# Allegro board MB1219_REVB_160112.brd (continued)
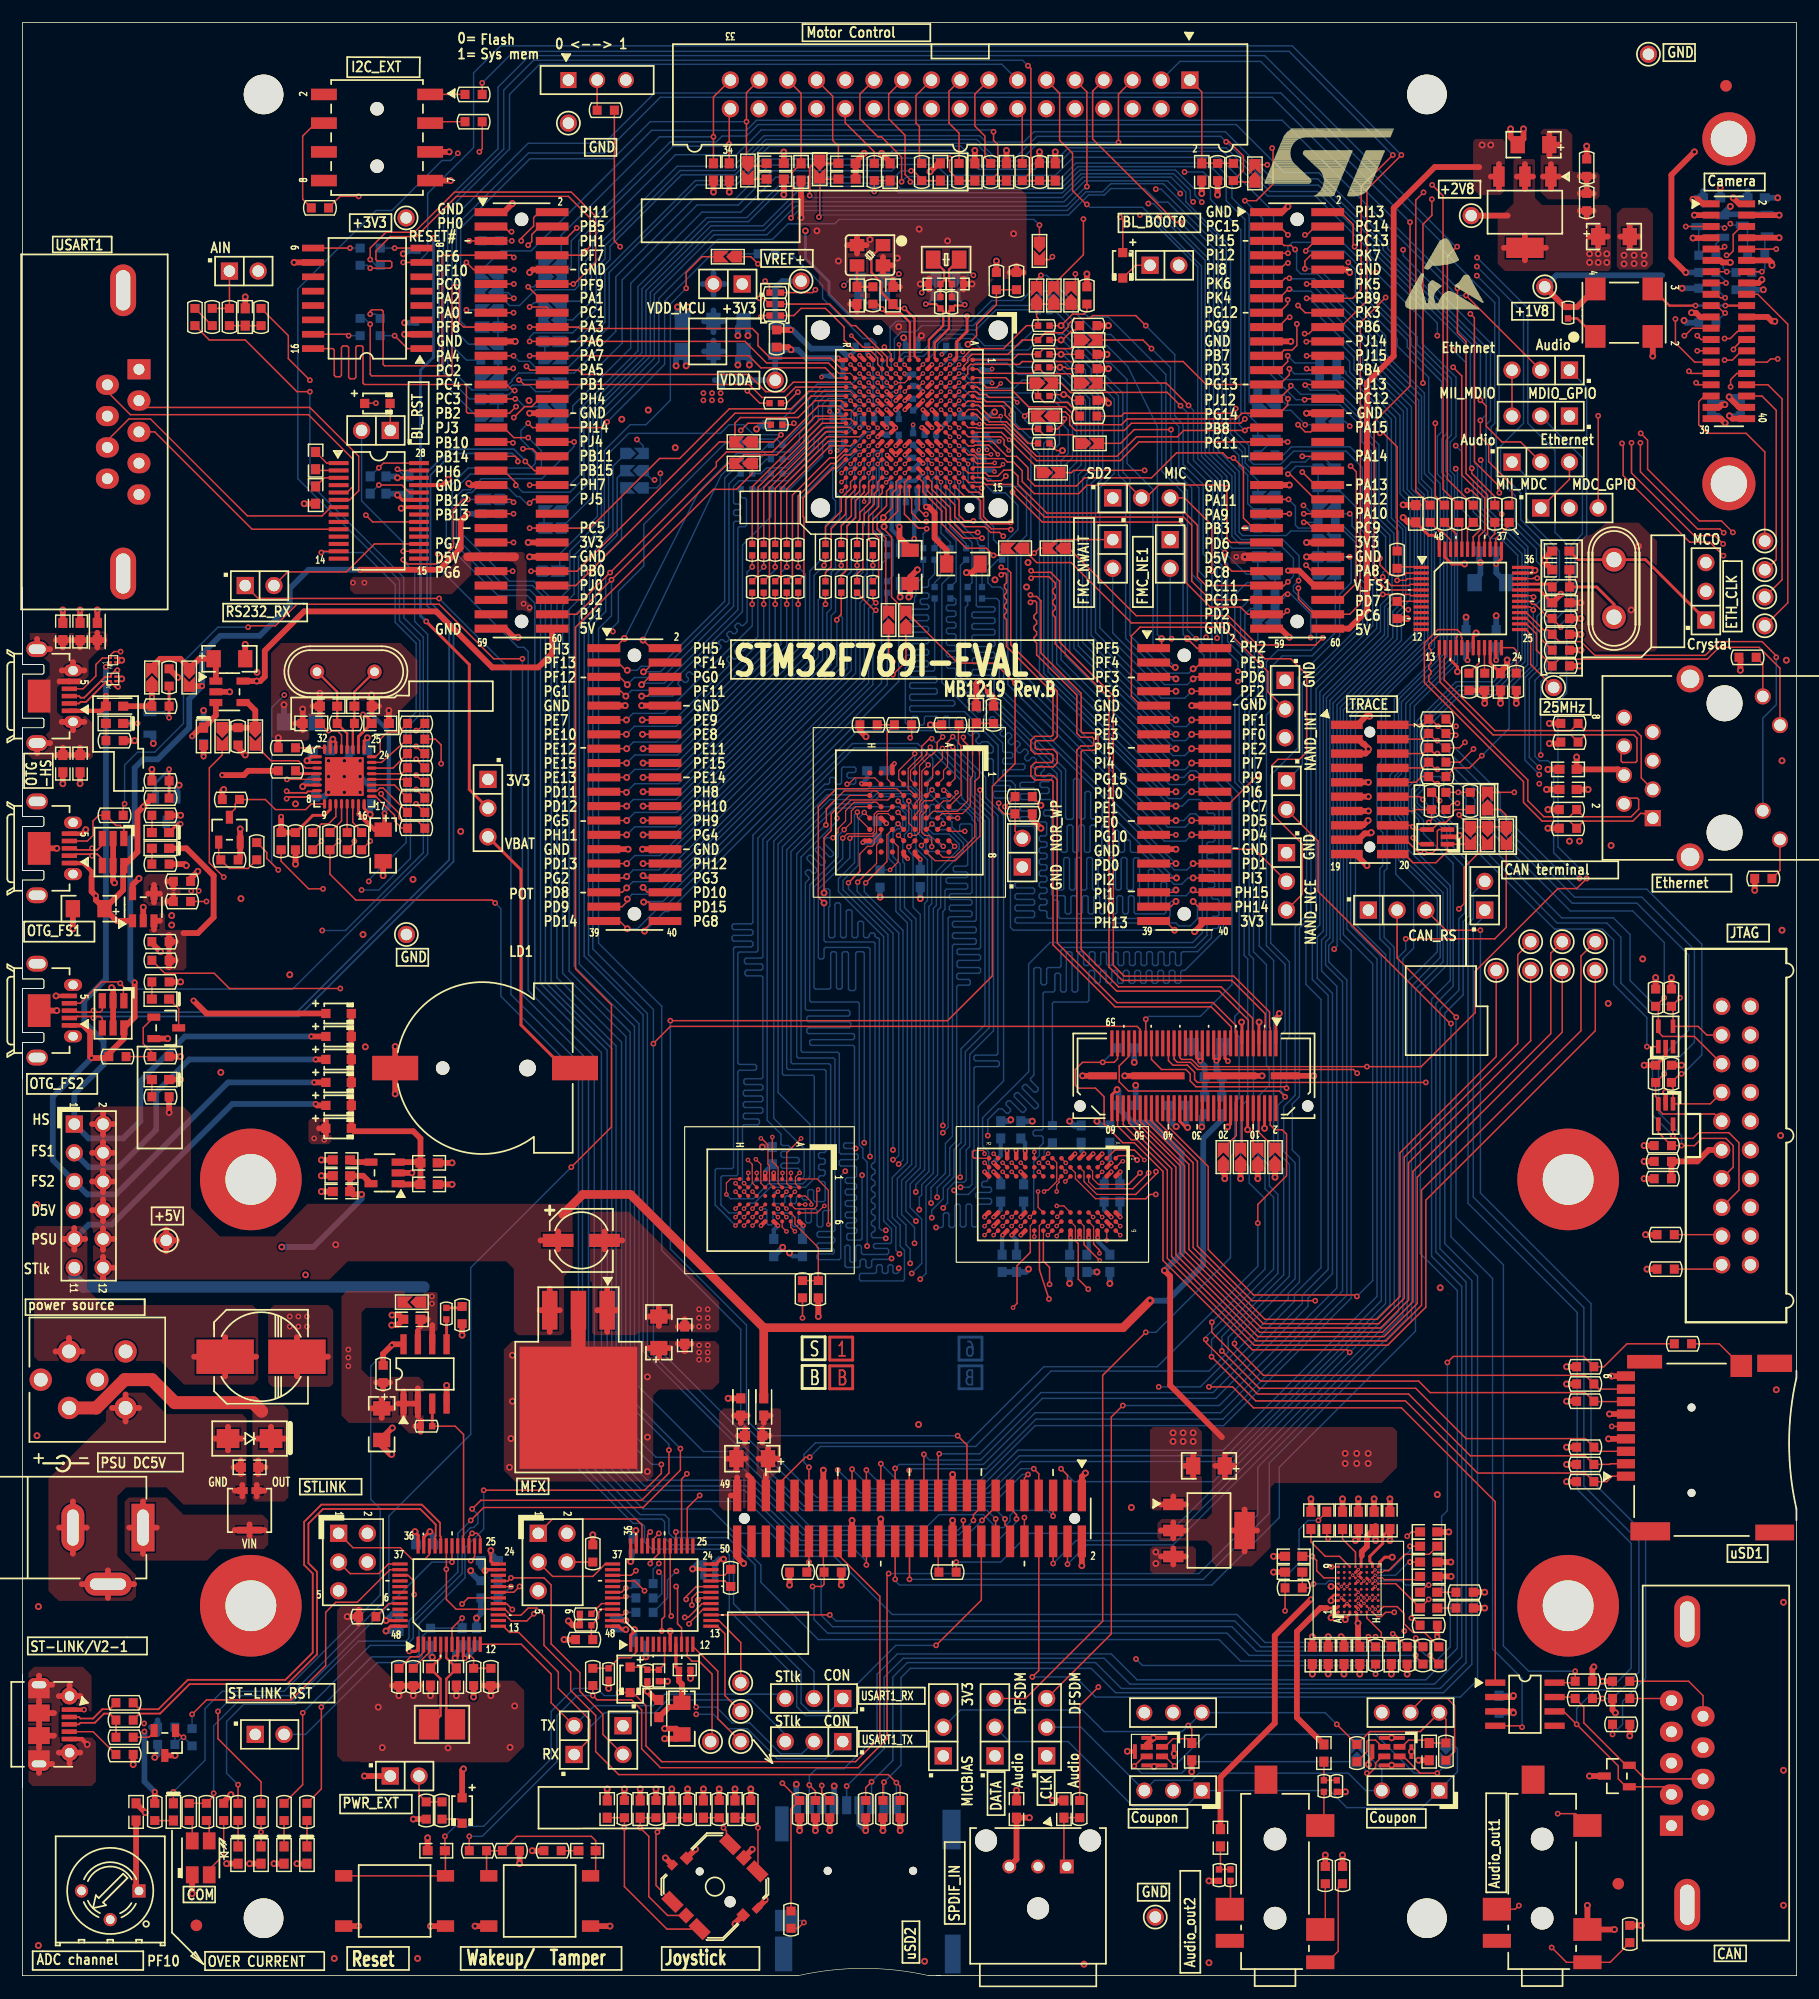
[diagram p0: board, top side]
## Routing (per net, layer and track width the routed paths; a pad name or vN(x,y) marks a point on that pad's centre or on a via; arc(x,y) is an arc through that point) (continued)
PAR_D8: length 244.8
  TOP w0.127: v1(150.5,152.91) 150.28,152.69 CN4.9 ; v1(111.86,122.17) 111.58,122.17 111.07,121.67 CN6.55 105.03,121.67 103.38,123.32 103.38,128.27 102.66,128.99 90.36,128.99 87.48,131.88 85.14,131.88 84.96,132.06 83.64,132.06 U4.B14 ; R16.2 28.07,157.35 v1(29.72,157.35)
  L4_SIG w0.102: v1(29.72,157.35) 32.89,157.35 35.69,160.15 42.55,160.15 43.43,161.04 66.04,161.04 66.8,161.8 79.2,161.8 81.76,159.23 95.15,159.23 97.16,157.23 100.84,157.23 102.36,158.75 102.74,158.75 104.67,160.68 111.63,160.68 112.17,160.15 124.92,160.15 126.06,159 147.57,159 149.73,156.84 149.73,153.8 150.5,153.03 v1(150.5,152.91) 151,152.91 151.51,152.4 151.51,150.62 151.13,150.24 150.37,150.24 150.11,149.99 150.11,146.81 150.5,146.43 151.38,146.43 152.65,145.16 152.65,141.68 152.04,141.07 150.52,141.07 149.1,139.65 149.1,138.91 142.14,131.95 122.02,131.95 116.48,126.42 116.48,122.73 113.89,120.14 v1(113.89,118.34)
  BOTTOM w0.127: R287.2 111.23,121.39 111.23,121.54 v1(111.86,122.17) 112.14,122.17 113.89,120.42 v1(113.89,118.34)
PAR_D9: length 233.4
  TOP w0.127: v3(85.95,133.78) 85.9,133.73 84.37,133.73 U4.A12 ; v1(113.36,139.37) 113.44,139.45 CN6.28 ; v1(155.07,152.69) CN4.10 ; CN17.5 v1(140.52,48.57) ; v1(108.08,156.97) 109.09,156.97 110.57,158.45 110.57,161.54 v1(110.49,161.62)
  L4_SIG w0.102: v3(85.95,133.78) 86.06,133.78 86.36,134.09 87.43,134.09 87.66,133.86 92.43,133.86 95.35,136.78 97.03,136.78 97.41,137.16 108.33,137.16 109.84,138.67 112.66,138.67 v1(113.36,139.37) ; v1(140.52,48.57) 142.24,50.29 142.24,100.58 139.95,102.87 139.95,111.48 141.43,112.95 143.21,112.95 146.43,116.18 154,116.18 156.24,118.41 156.24,151.49 155.07,152.65 v1(155.07,152.69) 154.46,152.69 152.39,154.76 152.39,158 151,159.38 148.87,159.38 148.11,160.15 126.77,160.15 124.99,161.93 110.79,161.93 v1(110.49,161.62)
  BOTTOM w0.127: v1(113.36,139.37) 112.6,139.37 109.65,142.32 109.65,155.4 v1(108.08,156.97)
PAR_D10: length 113.6
  TOP w0.127: CN4.5 147.07,154.69 v1(147.07,154.69) ; U4.B11 83.61,134.49 84.13,134.49 84.45,134.16 86.77,134.16 87.07,133.86 87.63,133.86 88.39,133.1 88.39,132.13 89.46,131.06 93.37,131.06 94.11,131.8 97.82,131.8 JP7.2 99.31,130.68 100.46,131.83 106.24,131.83 v1(106.49,131.57) 106.49,127.09 106.83,126.75 CN6.47
  L4_SIG w0.102: v1(147.07,154.69) 147.07,155.57 145.34,157.3 125.93,157.3 125.22,156.59 122.94,156.59 121.79,157.73 107.7,157.73 105.92,155.96 100.89,155.96 v1(100.51,155.57)
  BOTTOM w0.127: v1(106.49,131.57) 106.49,132.58 104.57,134.49 104.57,151.69 100.69,155.57 v1(100.51,155.57)
PAR_D11: length 107.8
  TOP w0.127: v1(150.67,152.15) 150.88,152.15 151.26,152.53 151.26,153.97 151.98,154.69 CN4.6 ; v1(87.53,131.19) 90.17,128.55 102.34,128.55 102.87,128.02 102.87,123.19 105.03,121.03 107.7,121.03 108.33,120.4 CN6.57 111.53,120.4 v1(111.84,120.7) ; v3(82.01,133.69) U4.D12
  L4_SIG w0.102: v3(82.01,133.69) 82.45,133.24 83.85,133.24 85.42,131.67 87.07,131.67 87.53,131.22 v1(87.53,131.19) ; v1(150.67,152.15) 150.67,152.12 149.73,151.18 149.73,146.69 150.37,146.05 151.13,146.05 152.27,144.91 152.27,142.39 151.49,141.6 150.19,141.6 148.46,139.88 148.46,138.96 141.81,132.31 121.82,132.31 116.03,126.52 116.03,122.94 113.94,120.85 112.01,120.85 111.86,120.7 v1(111.84,120.7)
  BOTTOM w0.127: SB76.2 110.79,119.63 111.84,120.68 v1(111.84,120.7)
PB0: length 109.1
  TOP w0.127: v1(37.01,107.19) 37.01,108.84 36.5,109.35 R93.2 ; v1(44.96,124.21) CN5.52 49.02,124.21 62.99,138.18 68.2,138.18 69.71,139.69 U4.R5
  L4_SIG w0.102: v1(44.96,124.21) 48.84,124.21 48.97,124.33 48.97,124.74 48.84,124.87 40.97,124.87 40.84,124.74 40.84,124.48 40.97,124.35 42.29,124.35 42.39,124.25 42.39,124.07 42.27,123.94 40.89,123.94 40.79,123.84 40.79,123.64 40.89,123.54 42.27,123.54 42.39,123.41 42.39,123.26 42.27,123.13 40.89,123.13 40.79,123.03 40.79,122.83 40.89,122.73 42.27,122.73 42.39,122.6 42.39,122.45 42.27,122.32 40.89,122.32 40.79,122.22 40.79,122.01 40.89,121.91 42.27,121.91 42.39,121.79 42.39,121.63 42.27,121.51 40.89,121.51 40.79,121.4 40.79,121.2 40.89,121.1 42.27,121.1 42.39,120.97 42.39,120.82 42.27,120.69 40.94,120.69 40.84,120.59 40.84,120.39 40.94,120.29 42.27,120.29 42.39,120.16 42.39,120.01 42.27,119.88 40.94,119.88 40.84,119.78 40.84,119.58 40.94,119.47 42.27,119.47 42.39,119.35 42.39,119.2 42.27,119.07 40.94,119.07 40.84,118.97 40.84,118.76 40.94,118.66 42.27,118.66 42.39,118.53 42.39,118.38 42.27,118.26 40.94,118.26 40.84,118.15 40.84,117.95 40.94,117.85 42.27,117.85 42.39,117.72 42.39,117.57 42.27,117.44 40.94,117.44 40.84,117.34 40.84,117.14 40.94,117.04 42.48,117.04 42.6,116.92 42.6,116.75 42.48,116.63 40.94,116.63 40.84,116.53 40.84,116.32 40.94,116.22 42.45,116.22 42.57,116.1 42.57,115.94 42.45,115.82 40.94,115.82 40.84,115.72 40.84,115.51 40.94,115.41 42.43,115.41 42.55,115.29 42.55,115.12 42.43,115 40.94,115 40.84,114.9 40.84,114.7 40.94,114.6 42.48,114.6 42.6,114.48 42.6,114.31 42.48,114.19 41.12,114.19 41.02,114.09 41.02,111.2 v1(37.01,107.19)
  BOTTOM w0.127: SB73.2 v1(44.96,124.21)
PB1: length 110.3
  TOP w0.127: R98.2 35.43,108.08 v1(34.8,108.71) ; U4.R4 68.35,140.49 67.44,139.57 65.38,139.57 64.24,140.72 CN5.26 44.32,140.72 43.92,141.12 v1(43.89,141.12)
  L4_SIG w0.102: v1(34.8,108.71) 38.51,112.42 38.51,138.53 38.63,138.66 42.93,138.66 43.05,138.78 43.05,138.95 42.93,139.07 37.85,139.07 37.72,139.19 37.72,139.35 37.85,139.47 42.8,139.47 42.93,139.6 42.93,139.75 42.8,139.88 37.86,139.88 37.74,140 37.74,140.17 37.86,140.29 42.8,140.29 42.93,140.41 42.93,140.59 42.8,140.72 37.85,140.72 37.72,140.84 37.72,141.13 37.82,141.23 42.25,141.23 42.37,141.35 42.37,141.52 42.25,141.64 39.78,141.64 39.65,141.76 39.65,142.11 39.78,142.24 42.62,142.24 42.75,142.11 42.75,141.33 42.95,141.12 v1(43.89,141.12)
  BOTTOM w0.127: v1(43.89,141.12) 45.82,141.12 SB50.2
PB2: length 58.7
  TOP w0.127: R43.2 66.04,137.29 64.14,137.29 v1(63.5,136.65) ; U3.16 27.43,143.89 27.56,143.76 27.56,141.53 27.69,141.4 28.07,141.4 28.19,141.53 28.19,143.99 28.32,144.12 28.7,144.12 28.83,143.99 28.83,141.35 28.96,141.22 29.34,141.22 29.46,141.35 29.46,144.02 29.59,144.15 29.97,144.15 30.1,144.02 30.1,140.84 30.23,140.72 39.12,140.72 39.24,140.59 39.24,138.3 39.37,138.18 CN5.29 43.05,138.18 v1(43.64,138.76)
  L4_SIG w0.102: v1(43.64,138.76) 53.82,138.76 56.82,135.76 62.61,135.76 v1(63.5,136.65)
PB3: length 331.6
  TOP w0.127: CN6.45 108.84,128.02 107.95,128.91 107.95,133.32 v1(107.06,134.21) 107.04,134.24 106.55,134.24 106.12,134.67 102.03,134.67 99.82,132.46 93.9,132.46 93.19,131.75 89.51,131.75 88.9,132.36 88.9,133.35 87.88,134.37 87.05,134.37 85.72,135.69 U4.A10 ; U21.31 v1(37.47,35.94) 37.47,33.27 38.33,32.41 U21.16 42.65,32.41 43.18,31.88 44.07,31.88 44.7,32.51 45.47,32.51 46.1,31.88 46.1,29.21 48.46,26.85 48.46,25.22 50.67,23.01 50.67,19.81 52.7,17.78 76.55,17.78 v1(77.27,17.07) 77.6,16.74 R205.2 ; v1(150.42,127.61) 150.09,127.94 148.11,127.94 143.05,132.99 v1(143.05,135.56) ; R97.2 127.05,108.58 v1(127.53,109.07)
  L4_SIG w0.102: v1(143.05,135.56) 142.52,135.03 129.16,135.03 128.45,134.32 121.49,134.32 119.63,132.46 112.85,132.46 111.99,133.32 107.92,133.32 107.06,134.19 v1(107.06,134.21) ; v1(150.42,127.61) 151.41,126.62 151.41,120.65 149.58,118.82 145.31,118.82 142.24,115.75 139.06,115.75 135.89,112.57 134.37,112.57 131.93,110.13 128.7,110.13 127.64,109.07 v1(127.53,109.07) 127.38,108.92 127.38,107.11 128.93,105.56 128.93,101.6 124.71,97.38 120.75,97.38 119.89,96.52 118.45,96.52 117.47,95.54 117.47,89.89 113.41,85.83 113.41,82.22 112.67,81.48 112.67,77.47 112.47,77.27 112.47,62.41 105.33,55.27 98.12,55.27 85.55,42.7 81.76,42.7 81.2,42.14 62.71,42.14 61.37,40.79 54,40.79 52.58,39.37 52.58,36.45 47.37,31.24 45.21,31.24 43.56,32.89 42.55,32.89 40.13,35.31 38.1,35.31 v1(37.47,35.94)
  BOTTOM w0.127: CN30.1 v1(77.27,17.07)
PB4: length 248.1
  TOP w0.102: 85.09,136.49 U4.A9
  TOP w0.127: SB16.2 90.14,132.92 v3(87.23,135.82) 87.22,135.82 86.55,136.49 85.09,136.49 ; CN6.24 113.67,141.99 v1(113.54,142.11) ; v1(76.16,17.11) 76.07,17.02 R204.2
  L4_SIG w0.102: v3(87.23,135.82) 87.5,136.09 92.63,136.09 94.97,138.43 96.09,138.43 98.12,140.46 107.7,140.46 109.86,142.62 112.14,142.62 112.65,142.11 v1(113.54,142.11) 113.67,141.99 115.95,141.99 117.73,143.76 v1(126.49,143.76)
  BOTTOM w0.127: CN30.2 v1(76.16,17.11) 77.67,18.62 77.67,26.36 78.49,27.18 94.49,27.18 96.65,25.02 125.63,25.02 128.14,27.53 128.14,61.47 125.32,64.29 125.32,85.47 127,87.15 127,93.47 127.51,93.98 127.51,98.04 125.48,100.08 125.48,101.55 124.49,102.54 124.09,102.54 123.06,103.57 123.06,104.65 123.57,105.16 123.57,110.74 126.87,114.05 130.18,114.05 132.59,116.46 132.59,125.73 130.78,127.53 130.2,127.53 128.27,129.46 128.27,132.21 127.64,132.84 127.64,142.62 v1(126.49,143.76)
PB5: length 114.2
  TOP w0.127: v1(31.7,104.52) 31.7,104.39 33.27,102.82 33.27,102.36 33.53,102.11 34.92,102.11 R117.2 ; v3(84.61,137.21) 84.09,137.21 U4.A8 ; v1(65.02,151.38) 64.39,152.02 SB5.2 ; v1(44.7,153.03) 45.02,153.35 45.02,153.97 45.73,154.69 CN5.4
  L4_SIG w0.102: v1(31.7,104.52) 31.7,109.3 34.8,112.39 34.8,143.89 36.2,145.29 36.2,146.1 42.67,152.58 44.25,152.58 v1(44.7,153.03) 44.83,153.16 51.56,153.16 52.6,152.12 64.29,152.12 v1(65.02,151.38) 67.82,148.59 70.61,148.59 74.04,145.16 74.04,144.65 75.18,143.51 75.18,143 76.14,142.04 77.36,142.04 77.62,141.78 77.62,141.53 78.49,140.67 78.49,139.91 79.46,138.93 79.67,138.93 80.01,138.59 80.01,138.3 80.62,137.69 84.12,137.69 v3(84.61,137.21)
PB6: length 155.8
  TOP w0.127: v1(113.36,145.21) 113.74,145.21 114.33,145.8 CN6.18 116.54,145.8 118.87,148.13 118.87,157.96 v1(121.92,161.01) ; R44.2 91.52,136.78 92.13,137.39 v1(92.13,137.69) ; v1(33.66,151.51) U3.7
  L4_SIG w0.102: v1(92.13,137.69) 92.23,137.69 95.38,140.84 96.27,140.84 97.03,141.6 107.19,141.6 110.79,145.21 v1(113.36,145.21)
  BOTTOM w0.127: v1(121.92,161.01) 112.27,170.66 42.27,170.66 39.88,168.28 39.88,161.67 35.81,157.61 35.81,152.4 R230.2 v1(33.66,151.51)
PB7: length 97.5
  TOP w0.127: v3(87.95,139.13) 87.51,139.57 85.47,139.57 85.22,139.83 84.58,139.83 84.33,140.08 83.69,140.08 83.3,139.69 U4.B5 ; v1(151.03,140.51) 151.03,141.15 151.57,141.69 CN4.32 ; CN6.21 111.05,143.26 111.56,143.76 112.27,143.76 112.67,144.17 v1(112.67,146.08) ; v1(128.02,146.96) 128.37,146.61 128.37,133.9 130.58,131.69 v1(130.58,131.14)
  L4_SIG w0.102: v1(128.02,146.96) 118.62,146.96 117.73,146.08 v1(112.67,146.08) 110.01,146.08 106.55,142.62 95.63,142.62 92.08,139.06 88.01,139.06 v3(87.95,139.13) ; v1(151.03,140.51) 150.67,140.51 149.61,139.45 149.61,138.81 142.37,131.57 131.01,131.57 v1(130.58,131.14)
PB8: length 463.8
  TOP w0.127: R160.2 69.53,35.88 v1(69.53,36.58) CN18.40 ; U4.A7 84.29,138.09 85.22,137.16 86.87,137.16 89.66,134.37 96.77,134.37 98.5,136.09 102.11,136.09 102.67,136.65 v1(108.08,136.65) 108.33,136.91 CN6.31 ; v1(40.39,161.29) 40.64,161.54 R5.1 ; v1(114.3,59.69) 108.71,59.69 103.89,64.52 103.89,72.01 100.32,75.58 CN15.44 ; R175.1 v1(124.46,28.32)
  L4_SIG w0.102: v1(56.26,36.45) 60.71,36.45 61.21,35.94 68.9,35.94 v1(69.53,36.58) 71.48,38.52 86.14,38.52 87.4,39.78 87.4,40.54 91.31,44.45 91.31,45.11 98.78,52.58 107.19,52.58 v1(114.3,59.69) 116.64,62.03 116.64,85.9 121.67,90.93 121.67,91.97 122.96,93.27 122.96,94.72 123.75,95.5 125.53,95.5 131.42,101.4 131.42,106.27 134.62,109.47 137.03,109.47 141.22,113.67 142.93,113.67 146.05,116.79 153.42,116.79 155.57,118.95 155.57,134.11 154.18,135.51 154.18,146.81 151.89,149.1 151.89,153.16 v1(150.5,154.56) 150.11,154.94 150.11,156.97 147.7,159.38 126.29,159.38 125.15,160.53 112.6,160.53 112.01,161.11 104.6,161.11 103,159.51 v1(102.74,159.51) 102.49,159.51 100.53,157.56 97.46,157.56 95.4,159.61 82.02,159.61 79.45,162.18 66.55,162.18 65.79,161.42 40.51,161.42 v1(40.39,161.29)
  BOTTOM w0.127: v1(69.53,36.58) 69.53,36.13 70.61,35.05 70.61,31.88 71.63,30.86 106.93,30.86 109.09,28.7 121.54,28.7 121.92,29.08 123.32,29.08 124.08,28.32 v1(124.46,28.32) ; v1(56.26,36.45) 55.75,35.94 R293.1 ; v1(102.74,159.51) 104.39,159.51 105.03,158.88 105.03,157.1 107.72,154.41 107.72,138.05 107.57,137.9 107.57,137.16 v1(108.08,136.65) ; R229.1 148.21,154.6 T5.3 150.37,154.69 v1(150.5,154.56)
PB9: length 424.9
  TOP w0.127: CN15.40 101.32,75.07 104.84,71.55 104.84,64.2 108.84,60.2 117.86,60.2 v1(117.98,60.07) ; R174.1 123.19,28.19 v1(123.19,28.32) ; R3.1 v1(40.64,167.39) ; v1(69.85,34.42) 70.68,34.42 70.87,34.61 R161.2 70.87,36.26 70.8,36.32 CN18.38 ; U4.B4 83.61,140.89 84.79,140.89 85.23,140.45 86.13,140.45 v3(86.49,140.81) ; v1(121.16,161.01) 118.36,158.22 118.36,149.1 117.6,148.34 CN6.14 v1(113.54,148.34)
  L4_SIG w0.102: v1(69.85,34.42) 69.11,35.15 56.79,35.15 v1(56.26,35.69) ; v3(86.49,140.81) 87.03,141.35 88.39,141.35 90.93,143.89 92.2,143.89 95.25,146.94 107.37,146.94 109.14,148.72 113.16,148.72 v1(113.54,148.34) ; v1(121.16,161.01) 121.69,161.54 124.66,161.54 126.44,159.77 147.93,159.77 148.82,158.88 150.5,158.88 151.96,157.42 151.96,155.89 v1(151,154.94) ; v1(117.98,60.07) 117.86,59.94 117.86,48.64 115.06,45.85 115.06,43.56 115.82,42.8 115.82,41.27 117.09,40.01 122.56,40.01 123.19,39.37 123.19,35.56 122.94,35.31 122.94,32.41 123.7,31.65 123.7,29.59 123.19,29.08 v1(123.19,28.32)
  BOTTOM w0.127: R227.1 152.53,154.35 T4.3 151.13,154.81 v1(151,154.94) ; v1(121.16,161.01) 111.99,170.18 43.43,170.18 v1(40.64,167.39) ; v1(113.54,148.34) 113.77,148.34 118.49,143.61 118.49,142.49 122.43,138.56 122.43,131.44 123.32,130.56 123.32,118.47 116.79,111.94 116.79,92.08 119.38,89.48 119.38,61.47 v1(117.98,60.07) ; v1(123.19,28.32) 123.19,28.19 123.06,28.32 108.46,28.32 106.49,30.29 71.18,30.29 69.98,31.5 69.98,34.29 v1(69.85,34.42) ; v1(56.26,35.69) 56.52,35.43 56.52,33.78 56.13,33.4 R294.1
PB10: length 112.9
  TOP w0.127: v3(73.21,133.69) U4.P12 ; CN5.33 43.28,135.64 v1(43.36,135.56) ; R100.2 v1(34.8,107.57)
  L4_SIG w0.102: v3(73.21,133.69) 73.21,133.72 72.64,134.29 68.35,134.29 66.73,132.66 56.95,132.66 56.77,132.84 56.42,132.84 v1(56.4,132.86) 56.38,132.84 56.08,132.84 53.77,135.15 48.59,135.15 48.18,135.56 v1(43.36,135.56) 43.13,135.56 43,135.69 43,137.54 42.88,137.67 39.34,137.67 39.22,137.54 39.22,137.35 39.34,137.22 42.34,137.22 42.47,137.1 42.47,136.94 42.34,136.82 39.34,136.82 39.22,136.69 39.22,136.54 39.34,136.41 42.37,136.41 42.49,136.28 42.49,136.13 42.37,136 39.34,136 39.22,135.88 39.22,135.68 39.34,135.56 42.34,135.56 42.47,135.43 42.47,135.28 42.34,135.15 39.4,135.15 39.27,135.02 39.27,134.87 39.4,134.74 42.29,134.74 42.42,134.62 42.42,134.47 42.29,134.34 39.45,134.34 39.32,134.21 39.32,134.01 39.45,133.88 42.37,133.88 42.47,133.78 42.47,133.58 42.37,133.47 39.39,133.47 39.27,133.36 39.27,133.19 39.39,133.07 42.37,133.07 42.47,132.97 42.47,132.76 42.37,132.66 40.16,132.66 40.03,132.54 40.03,128.93 39.9,128.8 39.34,128.8 39.22,128.68 39.22,112.06 34.8,107.65 v1(34.8,107.57)
  BOTTOM w0.127: v1(56.4,132.86) 56.4,131.88 56.09,131.57 SB63.2
PB11: length 112.6
  TOP w0.127: R104.2 35.43,105.54 v1(34.8,106.17) ; v3(72.41,132.89) U4.R13 ; v1(44.25,135.03) 45.09,135.03 45.75,134.37 CN5.36
  L4_SIG w0.102: v3(72.41,132.89) 72.41,133.73 72.28,133.86 71.65,133.86 71.55,133.76 71.55,132.72 71.45,132.61 71.25,132.61 71.15,132.72 71.15,133.76 71.04,133.86 70.84,133.86 70.74,133.76 70.74,132.72 70.64,132.61 70.43,132.61 70.33,132.72 70.33,133.76 70.23,133.86 70.03,133.86 69.93,133.76 69.93,132.72 69.82,132.61 69.62,132.61 69.52,132.72 69.52,133.76 69.42,133.86 69.22,133.86 69.11,133.76 69.11,132.72 69.01,132.61 68.81,132.61 68.71,132.72 68.71,133.76 68.61,133.86 68.38,133.86 68.25,133.73 68.25,132.41 68.12,132.28 v1(55.88,132.28) 53.52,132.28 53.39,132.41 53.39,134.57 53.26,134.7 53.05,134.7 52.92,134.57 52.92,132.56 52.79,132.44 52.55,132.44 52.43,132.56 52.43,134.62 52.3,134.75 52.1,134.75 51.97,134.62 51.97,132.64 51.84,132.51 51.63,132.51 51.5,132.64 51.5,134.65 51.4,134.75 51.2,134.75 51.1,134.65 51.1,132.76 50.98,132.64 50.81,132.64 50.69,132.76 50.69,134.65 50.59,134.75 50.39,134.75 50.29,134.65 50.29,133.39 50.17,133.27 50,133.27 49.88,133.39 49.88,134.65 49.78,134.75 49.57,134.75 49.47,134.65 49.47,134.13 49.35,134.01 49.19,134.01 49.07,134.13 49.07,134.65 48.96,134.75 48.76,134.75 48.66,134.65 48.66,134.49 48.54,134.37 48.37,134.37 48.25,134.49 48.25,134.96 48.13,135.08 47.97,135.08 47.85,134.96 47.85,134.51 47.73,134.39 47.56,134.39 47.44,134.51 47.44,135.03 47.32,135.15 47.15,135.15 47.03,135.03 47.03,134.51 46.92,134.39 46.75,134.39 46.63,134.51 46.63,135.06 46.51,135.18 46.34,135.18 46.22,135.06 46.22,134.49 46.1,134.37 45.93,134.37 45.82,134.49 45.82,135.03 45.7,135.15 44.37,135.15 v1(44.25,135.03) 42.98,135.03 42.85,134.9 42.85,133.15 42.98,133.02 44.6,133.02 44.73,132.89 44.73,132.71 44.6,132.59 43.03,132.59 42.72,132.28 40.54,132.28 40.41,132.16 40.41,131.9 40.51,131.8 43.06,131.8 43.18,131.68 43.18,131.52 43.06,131.4 40.51,131.4 40.41,131.29 40.41,128.55 40.28,128.42 39.7,128.42 39.57,128.3 39.57,111.91 35.31,107.64 35.31,106.3 35.18,106.17 v1(34.8,106.17)
  BOTTOM w0.127: SB61.2 55.68,132.28 v1(55.88,132.28)
PB12: length 112.5
  TOP w0.127: v3(76.38,132.9) 76.3,132.98 76.3,133 U4.L13 ; CN5.41 43.15,130.56 v1(43.41,130.3) ; R107.2 v1(34.8,104.9)
  L4_SIG w0.102: v3(76.38,132.9) 76.26,132.9 75.06,131.7 75.06,130.05 71.25,126.24 65.34,126.24 62.5,129.08 60.63,129.08 60.53,128.98 60.53,127.69 60.43,127.58 60.22,127.58 60.12,127.69 60.12,128.98 60.02,129.08 59.82,129.08 59.72,128.98 59.72,127.69 59.61,127.58 59.41,127.58 59.31,127.69 59.31,128.98 59.21,129.08 59,129.08 58.9,128.98 58.9,127.69 58.8,127.58 58.6,127.58 58.5,127.69 58.5,128.98 58.4,129.08 58.19,129.08 58.09,128.98 58.09,127.69 57.99,127.58 57.79,127.58 57.68,127.69 57.68,128.98 57.58,129.08 57.38,129.08 57.28,128.98 57.28,127.69 57.18,127.58 56.97,127.58 56.87,127.69 56.87,128.98 56.77,129.08 56.57,129.08 56.46,128.98 56.46,127.69 56.36,127.58 56.16,127.58 56.06,127.69 56.06,128.98 55.96,129.08 55.75,129.08 55.65,128.98 55.65,127.69 55.55,127.58 55.35,127.58 55.25,127.69 55.25,128.98 55.14,129.08 54.94,129.08 54.84,128.98 54.84,127.69 54.74,127.58 54.53,127.58 54.43,127.69 54.43,128.98 54.33,129.08 54.13,129.08 54.03,128.98 54.03,127.69 53.92,127.58 53.72,127.58 53.62,127.69 53.62,128.98 53.52,129.08 53.32,129.08 53.21,128.98 53.21,127.69 53.11,127.58 52.91,127.58 52.81,127.69 52.81,128.98 52.71,129.08 52.5,129.08 52.4,128.98 52.4,127.69 52.3,127.58 52.1,127.58 51.99,127.69 51.99,128.98 51.89,129.08 51.69,129.08 51.59,128.98 51.59,127.69 51.49,127.58 51.28,127.58 51.18,127.69 51.18,128.98 51.08,129.08 49.86,129.08 49.15,129.79 44.53,129.79 44.02,130.3 v1(43.41,130.3) 43.26,130.15 41.45,130.15 41.33,130.28 41.33,130.45 41.45,130.58 42.85,130.58 42.98,130.71 42.98,130.89 42.85,131.01 40.97,131.01 40.84,130.89 40.84,128.17 40.72,128.04 40.06,128.04 39.93,127.91 39.93,111.76 35.79,107.62 35.79,105.03 35.66,104.9 v1(34.8,104.9)
  BOTTOM w0.127: v1(43.41,130.3) 42.42,130.3 SB65.2
PB13: length 110.6
  TOP w0.127: U4.K14 76.38,132.06 v3(76.36,132.06) ; R113.2 v1(34.8,103.63) ; CN5.43 v1(43.41,129.29)
  L4_SIG w0.102: v3(76.36,132.06) 76.36,132.05 76.44,131.97 76.44,131.42 76.2,131.18 76.2,130.18 71.5,125.48 65.02,125.48 63.86,126.64 49.76,126.64 49.63,126.77 49.63,127.97 49.5,128.09 49.28,128.09 49.15,127.97 49.15,126.77 49.02,126.64 48.82,126.64 48.69,126.77 48.69,128.68 48.56,128.8 48.34,128.8 48.21,128.68 48.21,126.74 48.09,126.62 47.92,126.62 47.8,126.74 47.8,128.71 47.69,128.83 47.52,128.83 47.4,128.71 47.4,126.76 47.28,126.64 47.11,126.64 46.99,126.76 46.99,128.74 46.87,128.85 46.7,128.85 46.59,128.74 46.59,126.79 46.47,126.67 46.3,126.67 46.18,126.79 46.18,128.74 46.06,128.85 45.89,128.85 45.77,128.74 45.77,127.58 45.65,127.46 45.49,127.46 45.37,127.58 45.37,128.6 45.24,128.73 44.48,128.73 44.35,128.85 44.35,129.44 44.22,129.57 44.04,129.57 43.92,129.44 43.92,128.6 43.79,128.47 43.54,128.47 43.41,128.6 v1(43.41,129.29) 43.41,129.59 43.28,129.72 41.38,129.72 41.25,129.59 41.25,129.39 41.38,129.26 42.67,129.26 42.77,129.16 42.77,128.96 42.67,128.85 41.35,128.85 41.25,128.75 41.25,128.55 41.35,128.45 42.83,128.45 42.95,128.33 42.95,128.16 42.83,128.04 41.22,128.04 41.1,127.92 41.1,127.75 41.22,127.64 43,127.64 43.13,127.51 43.13,127.33 43,127.2 40.41,127.2 40.28,127.08 40.28,126.85 40.39,126.75 42.72,126.75 42.82,126.64 42.82,126.44 42.72,126.34 40.39,126.34 40.28,126.24 40.28,111.61 36.2,107.52 36.2,104.27 35.56,103.63 v1(34.8,103.63)
  BOTTOM w0.127: R263.2 v1(43.41,129.29)
PB14: length 119
  TOP w0.127: 6.86,84.83 7.05,84.64 D7.4 ; v3(72.41,132.09) U4.R14 ; v1(43.79,133.91) 43.79,134.14 43.56,134.37 CN5.35
  TOP w0.155: CN14.2 4.7,84.69 4.83,84.83 6.12,84.83 v1(6.26,84.69) 6.4,84.83 6.86,84.83
  L4_SIG w0.13: v3(72.41,132.09) 72.2,131.88 69.7,131.88 69.39,131.57 50.67,131.57 49.12,133.12 46.26,133.12 44.94,134.44 44.35,134.44 43.81,133.91 v1(43.79,133.91)
  BOTTOM w0.155: v1(43.79,133.91) 43.79,134.11 43.28,134.62 37.98,134.62 36.07,132.71 36.07,121.44 38.1,119.41 38.1,98.52 24.41,84.83 6.4,84.83 v1(6.26,84.69)
PB15: length 118.9
  TOP w0.127: v1(44.45,133.91) 45.26,133.1 CN5.38 ; 6.86,85.21 7.05,85.4 D7.3 ; v3(72.41,131.29) U4.R15
  TOP w0.155: CN14.3 4.7,85.34 4.83,85.21 6.12,85.21 v1(6.26,85.35) 6.4,85.21 6.86,85.21
  L4_SIG w0.13: v1(44.45,133.91) 44.45,133.93 44.58,134.06 44.78,134.06 46.1,132.74 48.97,132.74 50.52,131.19 69.55,131.19 69.86,131.5 72.2,131.5 v3(72.41,131.29)
  BOTTOM w0.155: v1(6.26,85.35) 6.4,85.21 24.25,85.21 37.72,98.68 37.72,119.2 35.76,121.16 35.76,132.94 37.82,135 43.43,135 44.45,133.99 v1(44.45,133.91)
PC0: length 112.3
  TOP w0.127: R123.2 29.34,100.2 v1(29.34,100.33) ; CN5.11 v1(43.43,149.61) ; v3(74.81,142.49) U4.M2
  L4_SIG w0.102: v1(29.34,100.33) 29.84,100.33 31.5,101.98 31.5,103.38 32.21,104.09 32.21,109.3 36.24,113.33 36.24,113.86 35.56,114.54 35.56,114.68 35.71,114.83 35.85,114.83 36.53,114.15 36.68,114.15 36.82,114.29 36.82,114.43 36.14,115.11 36.14,115.26 36.28,115.4 36.42,115.4 37.11,114.72 37.25,114.72 37.47,114.94 37.47,127.89 36.7,128.65 36.7,142.09 40.01,145.39 40.01,146.56 40.12,146.68 42.65,146.68 42.77,146.8 42.77,146.96 42.65,147.08 40.42,147.08 40.32,147.18 40.32,147.45 40.45,147.57 42.67,147.57 42.8,147.7 42.8,147.96 42.67,148.08 40.49,148.08 40.36,148.21 40.36,148.46 40.49,148.59 42.6,148.59 42.72,148.72 42.72,148.97 42.6,149.1 41.53,149.1 41.4,149.22 41.4,149.48 41.53,149.61 v1(43.43,149.61) 43.69,149.86 47.75,149.86 48.9,148.72 51.44,148.72 53.98,146.18 68.07,146.18 68.96,145.29 68.96,144.78 69.93,143.81 73.2,143.81 73.65,143.36 73.65,143.14 73.92,142.88 74.42,142.88 v3(74.81,142.49)
PC1: length 38.2
  TOP w0.127: v1(44.83,147.57) 46.32,147.57 CN5.16 ; U4.M3 v3(74.81,141.69)
  L4_SIG w0.102: v3(74.81,141.69) 74.38,142.11 73.06,142.11 72.88,142.29 71.89,142.29 71.88,142.3 71.42,142.3 71.17,142.54 69.14,142.54 68.43,143.26 67.06,143.26 66.17,144.15 62.87,144.15 62.15,144.86 52.15,144.86 50.32,146.69 48.26,146.69 47.24,147.7 44.96,147.7 v1(44.83,147.57)
  BOTTOM w0.127: v1(44.83,147.57) 45.21,147.96 SB42.1 SB44.1
PC2: length 39
  TOP w0.127: U4.M4 v3(74.81,140.89) ; v1(43.38,142.14) 43.31,142.06 41.49,142.06 CN5.23
  L4_SIG w0.102: v3(74.81,140.89) 74.64,140.89 74.22,140.46 73.74,140.46 73.56,140.28 71.89,140.28 71.88,140.28 71.55,140.28 70.23,138.96 63.6,138.96 60.91,141.66 44.35,141.66 43.87,142.14 v1(43.38,142.14)
  BOTTOM w0.127: v1(43.38,142.14) 42.57,142.14 SB49.1 R245.1
PC3: length 42.4
  TOP w0.127: U4.L4 v3(75.61,140.89) ; CN5.27 v1(43.56,139.45)
  L4_SIG w0.102: v3(75.61,140.89) 75.61,140.89 75.18,140.46 74.68,140.46 74.45,140.23 74.45,139.22 74.16,138.93 73.55,138.93 72.36,137.74 59.23,137.74 56.72,140.26 44.6,140.26 43.79,139.45 v1(43.56,139.45)
  BOTTOM w0.127: SB56.1 SB52.1 45.75,138.96 45.54,138.76 44.37,138.76 43.69,139.45 v1(43.56,139.45)
PC4: length 38.8
  TOP w0.127: v3(74.01,140.09) U4.N5 ; v1(43.51,140.18) 43.33,140.18 42.8,140.72 CN5.25
  L4_SIG w0.102: v1(43.51,140.18) 43.66,140.18 44.42,140.94 57.43,140.94 60.02,138.35 70.48,138.35 71.78,139.65 73.57,139.65 v3(74.01,140.09)
  BOTTOM w0.127: v1(43.51,140.18) 43.36,140.18 43,139.83 42.42,139.83 SB51.1 SB54.1
PC5: length 36.8
  TOP w0.102: 71.63,140.11 73.19,140.11 U4.P5
  TOP w0.127: v1(44.83,128.02) CN5.46 50.16,128.02 56.32,134.18 58.1,134.18 62.48,138.56 67.94,138.56 69.49,140.11 71.63,140.11
  BOTTOM w0.127: SB67.1 SB69.1 v1(44.83,128.02)
PC13: length 270.9
  TOP w0.127: R217.2 v1(39.5,12.32) ; v1(113.46,152.53) 113.46,152.58 114.3,153.42 CN6.6 ; v1(76.58,35.56) 76.44,35.42 76.44,20.95 73.88,18.39 56.4,18.39 54.74,20.06 54.74,23.5 53.85,24.38 50.8,24.38 v1(50.42,24.77) R182.2 ; U4.D1 v3(82.01,143.29)
  L4_SIG w0.102: v1(113.46,152.53) 113.26,152.53 112.62,151.89 110.41,151.89 109.75,152.55 93.24,152.55 91.06,150.37 91.06,148.97 90.17,148.08 86,148.08 82.4,144.48 82.4,143.67 v3(82.01,143.29)
  BOTTOM w0.127: v1(76.58,35.56) 104.01,35.56 109.22,40.77 109.22,44.96 122.43,58.17 122.43,87.88 125.09,90.55 125.09,95.25 121.67,98.68 121.67,101.98 121.34,102.31 121.34,106.07 121.67,106.4 121.67,112.88 125.65,116.87 125.65,132.23 125.09,132.79 125.09,136.14 125.48,136.53 125.48,140.97 122.43,144.02 122.43,144.65 118.24,148.84 118.24,151.13 116.84,152.53 v1(113.46,152.53) ; v1(50.42,24.77) 49.02,24.77 47.24,22.99 47.24,18.92 40.64,12.32 v1(39.5,12.32)
